# Altium PCB Booster_Main_Board.PcbDoc (part 12 of 13)
Units mm, origin at the board's own origin, x right, y up, seen from the top; angles counter-clockwise.
Board outline 400.01 x 117.51 mm, 4 copper layers (Component Side, Signal Layer 1, Power Plane, Solder Side), stack 1.604 mm thick; 1091 components, 573 nets, 3133 pads, 1954 vias.
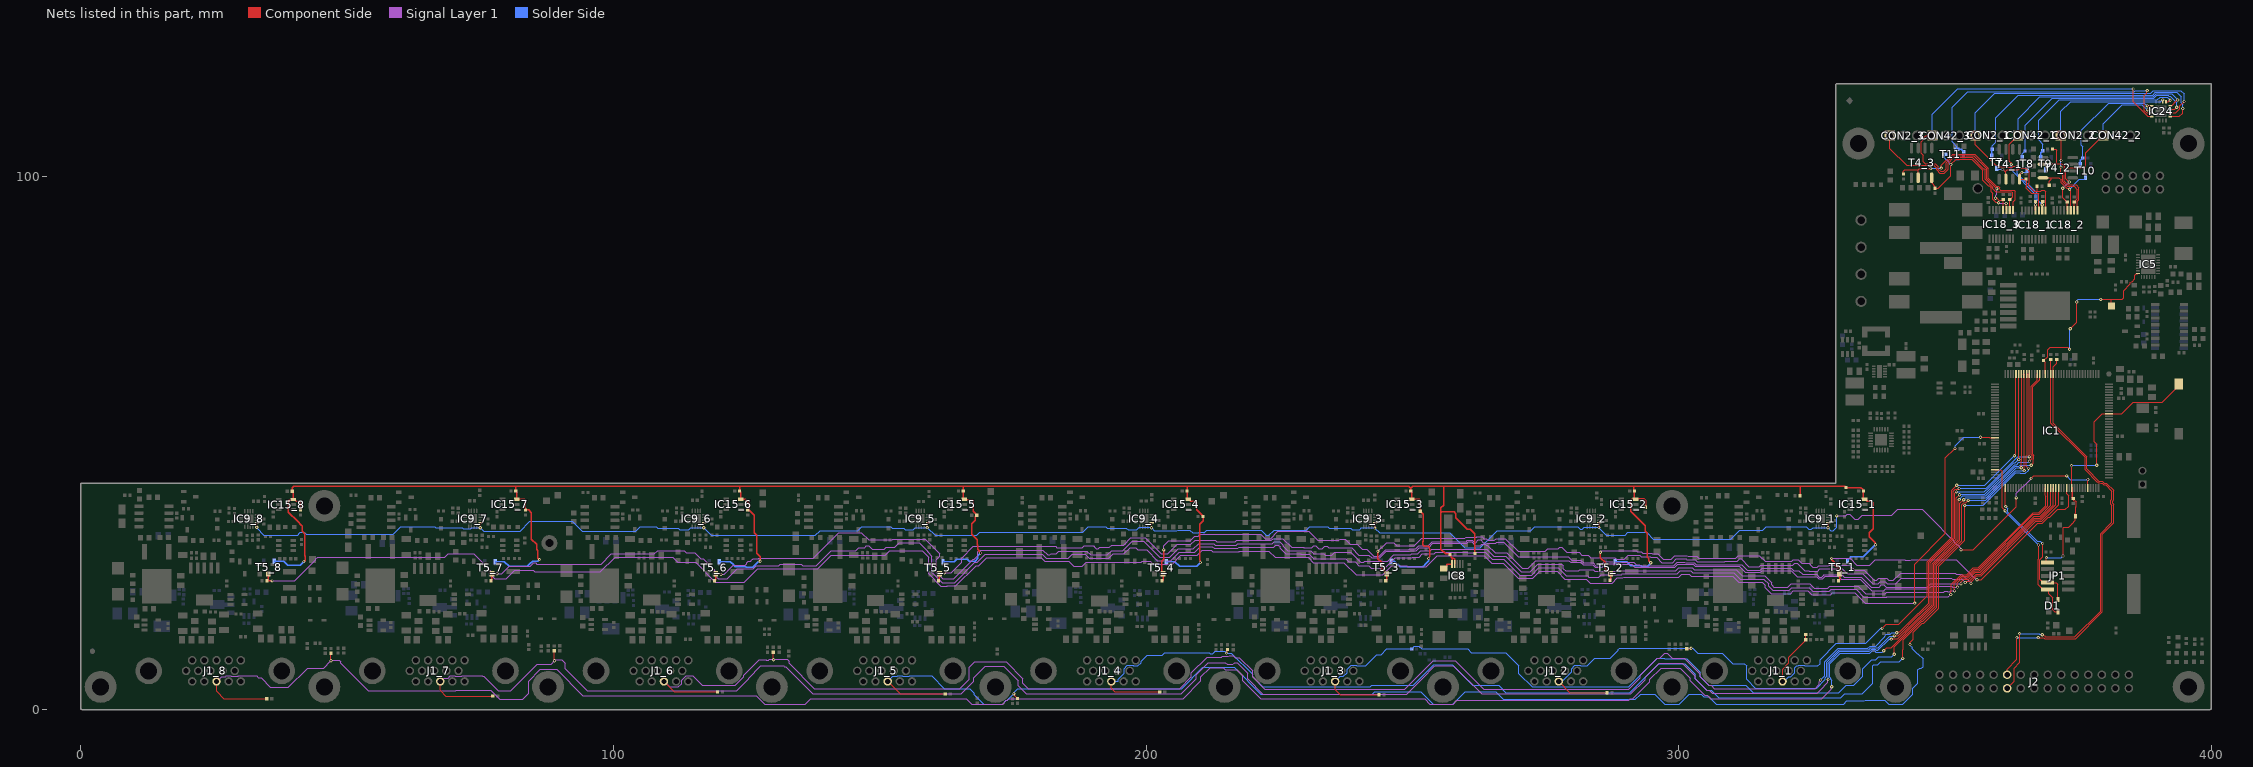
[diagram p14: the nets of this part, all layers, seen from the top]

## Via types
v1: diameter 0.6, hole 0.3, Component Side to Solder Side, tented both sides, 1808 vias
v2: diameter 0.6, hole 0.3, Component Side to Solder Side, 77 vias
v3: diameter 0.5, hole 0.3, Component Side to Solder Side, 40 vias
v4: diameter 1.27, hole 0.711, Component Side to Solder Side, tented both sides, 24 vias
v5: diameter 1.2, hole 0.8, Component Side to Solder Side, tented both sides, 5 vias

## Nets (pads, with @x,y where several pads share a name; then routed paths per layer and width w, separated by ;. In a path a pad name is that pad's centre, name@x,y a point inside that pad or via, vN(x,y) a via of type N, cw(c..) or ccw(c..) an arc to the next point about the centre after c; other vN are vias at no path point) (continued)
PA_CH_RESETN: IC1.140 IC9_1.1 IC9_2.1 IC9_3.1 IC9_4.1 IC9_5.1 IC9_6.1 IC9_7.1 IC9_8.1 | length 384
  Component Side w0.152: v1(33.02,34.214) 33.045,34.214 33.047,34.216 IC9_8.1@33.047,35.035 ; v1(75.006,34.138) 75.057,34.188 75.057,35.054 IC9_7.1@75.047,35.064 ; v1(116.942,34.112) 116.942,34.958 IC9_6.1@117.047,35.064 ; v1(158.928,34.163) 158.928,34.945 IC9_5.1@159.047,35.064 ; v1(201.016,34.112) 201.016,35.032 IC9_4.1@201.047,35.064 ; v1(242.947,34.065) 242.998,34.065 243.027,34.036 243.027,35.044 IC9_3.1@243.047,35.064 ; v1(285.013,34.188) 285.047,34.222 IC9_2.1@285.047,35.064 ; v1(328.021,34.146) 328.021,35.027 328.016,35.032 IC9_1.1@328.047,35.064 ; v1(352.978,30.004) 355.262,30.004 363.322,38.064 363.322,39.7 v1(363.347,39.726) ; v1(366.141,43.358) 366.649,43.866 v1(372.821,43.866) ; IC1.140@376.803,41.599 v1(376.803,43.18)
  Signal Layer 1 w0.152: v1(329.667,36.347) 331.307,36.347 331.662,36.702 332.1,36.702 333.076,35.725 333.697,35.725 334.472,36.5 340.004,36.5 341.071,37.567 345.666,37.567 352.978,30.254 v1(352.978,30.004) ; v1(363.347,39.726) 363.347,40.564 v1(366.141,43.358)
  Solder Side w0.152: v1(33.02,34.214) 33.02,34.092 34.387,32.725 40.697,32.725 40.909,32.938 40.909,32.972 41.219,33.282 41.953,33.282 42.311,32.923 58.653,32.923 60.07,34.34 66.466,34.34 66.668,34.138 71.592,34.138 71.815,33.914 72.253,33.914 72.273,33.933 73.202,33.933 73.403,34.135 v1@75.006,34.135 ; v1(75.006,34.138) v1@75.006,34.135 ; v1@284.958,34.184 282.226,34.184 281.905,33.863 281.467,33.863 280.99,34.34 272.947,34.34 272.195,33.587 265.896,33.587 262.684,30.376 259.819,30.376 257.023,33.172 243.84,33.172 v1(242.947,34.065) 242.905,34.107 240.417,34.107 240.071,33.761 238.73,33.761 238.431,34.06 234.339,34.06 234.06,34.34 230.732,34.34 230.094,33.701 224.01,33.701 223.028,32.719 222.59,32.719 221.608,33.701 211.422,33.701 210.947,33.225 210.779,33.225 210.715,33.289 209.941,33.289 209.877,33.225 208.709,33.225 208.233,33.701 205.912,33.701 205.798,33.587 201.541,33.587 v1(201.016,34.112) 200.919,34.209 198.75,34.209 198.252,33.711 196.642,33.711 196.292,34.06 192.669,34.06 192.389,34.34 189.127,34.34 188.117,33.33 168.801,33.33 168.197,32.725 160.365,32.725 v1(158.928,34.163) 156.693,34.163 156.286,33.757 154.788,33.757 154.484,34.06 152.301,34.06 152.022,34.34 146.658,34.34 145.906,33.587 138.78,33.587 137.918,32.725 118.328,32.725 v1(116.942,34.112) 114.529,34.112 114.178,33.761 112.492,33.761 112.192,34.061 108.338,34.061 108.06,34.34 105.053,34.34 104.221,33.507 94.125,33.507 92.273,35.36 84.331,35.36 82.479,33.507 75.634,33.507 v1@75.006,34.135 ; v1(285.013,34.188) 285.013,34.128 286.416,32.725 289.944,32.725 290.46,33.241 293.988,33.241 295.225,32.004 309.728,32.004 311.409,33.685 315.803,33.685 316.457,34.34 323.967,34.34 324.134,34.173 324.134,34.122 324.444,33.812 324.882,33.812 325.228,34.158 328.008,34.158 v1(328.021,34.146) 328.021,34.121 328.554,33.587 328.992,33.587 329.667,34.262 v1(329.667,36.347) ; v1(372.821,43.866) 373.507,43.18 v1(376.803,43.18)
PGOOD_N7V5: IC1.57 IC5.8 R25.2 TP1.1 | length 35.4
  Component Side w0.152: IC1.57@368.803,62.999 368.803,65.21 R25.2@368.478,65.534 368.508,65.534 369.228,66.254 369.228,67.504 369.728,68.004 371.978,68.004 372.007,68.033 372.697,68.033 372.726,68.004 373.034,68.004 373.368,67.669 v1(373.368,67.644) ; v1(373.478,71.504) 374.728,72.754 v1(374.728,76.504) ; v1(379.227,77.004) 381.228,77.004 383.228,77.004 383.528,77.304 383.528,78.654 384.793,79.918 384.793,80.212 384.927,80.346 385.093,80.346 385.619,80.872 385.619,81.549 IC5.8@385.927,81.857 ; TP1.1@381.228,75.754 381.228,77.003
  Component Side w0.254: IC5.8@385.927,81.857 IC5.8@386.208,81.857
  Solder Side w0.152: v1(373.368,67.644) 373.381,67.657 373.381,71.407 v1(373.478,71.504) ; v1(374.728,76.504) 374.728,76.754 374.978,77.004 ; 374.978,77.004 v1(379.227,77.004)
PWM1: IC18_1.1 R149_1.1 T4_1.2 T7.3 | length 19.4
  Component Side w0.152: v1(360.769,101.395) 360.89,101.395 361.186,101.099 361.423,101.099 ; T4_1.2@361.423,99.579 361.423,101.099 ; R149_1.1@367.258,98.254 367.258,97.305 367.228,97.275 ; IC18_1.1@368.876,93.704 368.882,93.71 368.882,97.173 368.572,97.483 368.134,97.483 367.927,97.275 367.228,97.275 ; 361.423,101.099 361.678,101.354 363.697,101.354 363.976,101.633 365.174,101.633 365.773,101.034 365.773,98.934 365.667,98.828 365.667,98.354 365.767,98.254 365.767,98.243 366.734,97.275 367.228,97.275
  Solder Side w0.152: T7.3@359.68,101.599 359.884,101.395 v1(360.769,101.395)
PWM1_2: IC18_2.1 R149_2.1 T4_2.2 T9.3 | length 18.6
  Component Side w0.152: 369.403,102.459 v1(369.9,102.459) 370.953,102.459 ; R149_2.1@370.148,105.229 370.753,105.229 370.953,105.029 370.953,102.459 ; IC18_2.1@374.851,93.754 374.851,95.467 375.133,95.749 375.133,97.999 374.624,98.508 373.077,98.508 372.389,99.195 372.389,101.726 372.44,101.777 372.44,101.89 371.871,102.459 370.953,102.459
  Solder Side w0.152: T9.3@368.935,101.318 368.935,101.518 369.876,102.459 v1(369.9,102.459)
PWM1_3: IC18_3.1 R149_3.1 T4_3.2 | length 32.5
  Component Side w0.152: R149_3.1@342.178,100.574 342.153,100.599 342.153,101.079 342.423,101.349 344.948,101.349 ; T4_3.2@344.948,99.829 344.948,101.349 ; v1(347.328,101.554) 345.153,101.554 344.948,101.349 ; v1(349.278,101.654) 349.278,102.138 351.394,104.254 355.521,104.254 358.143,101.633 358.143,99.771 359.631,98.283 359.947,98.283 360.257,97.973 360.257,97.656 360.396,97.517 362.965,97.517 363.178,97.304 363.178,95.754 362.776,95.351 IC18_3.1@362.776,93.804
  Solder Side w0.152: v1(347.328,101.554) 347.428,101.654 v1(349.278,101.654)
PWM2: IC18_1.3 R150_1.1 T4_1.4 T8.3 | length 11.6
  Component Side w0.152: v1(364.416,100.799) 364.416,100.771 363.963,100.319 T4_1.4@363.963,99.579 365.003,99.579 365.349,99.233 365.349,98.247 365.249,98.146 365.249,97.849 366.127,96.971 367.462,96.971 367.606,96.826 IC18_1.3@367.606,93.704
  Solder Side w0.152: v1(364.416,100.799) 364.467,100.851 365.204,100.851 365.453,101.099 T8.3@365.453,101.299
PWM2_2: IC18_2.3 R150_2.1 T4_2.4 T10.3 | length 15.2
  Component Side w0.152: T4_2.4@368.376,99.822 369.9,99.822 ; R150_2.1@369.557,98.425 369.557,99.198 369.9,99.541 369.9,99.822 ; 373.148,97.891 372.832,97.891 371.78,98.943 371.78,99.419 371.357,99.843 370.267,99.843 370.247,99.822 369.9,99.822 ; IC18_2.3@373.581,93.754 373.581,97.458
  Solder Side w0.152: v1(373.364,97.675) 375.216,99.526 376.107,99.526 376.356,99.775 T10.3@376.356,99.975
PWM2_3: IC18_3.3 R150_3.1 T4_3.4 T11.3 | length 28.3
  Component Side w0.152: T4_3.4@347.488,99.829 347.488,98.894 348.103,98.279 R150_3.1@348.103,97.874 348.711,97.874 351.084,100.247 v1(351.084,102.334) 352.09,103.34 354.992,103.34 357.078,101.254 357.078,99.404 358.135,98.347 358.273,98.347 358.656,97.964 358.656,97.23 358.934,96.951 358.934,96.093 358.934,95.787 359.525,95.196 359.986,95.196 v1(360.053,95.129) ; v1(361.478,95.004) 361.506,94.977 IC18_3.3@361.506,93.804
  Signal Layer 1 w0.152: v1(360.053,95.129) 360.178,95.004 v1(361.478,95.004)
  Solder Side w0.152: T11.3@349.925,104.242 349.925,103.528 351.084,102.368 v1(351.084,102.334)
PWM_C1: IC24.5 R134.2 T7.1 | length 50.5
  Component Side w0.152: IC24.5@392.296,111.355 393.985,111.355 394.614,111.984 394.614,112.826 v1(394.618,112.83)
  Solder Side w0.152: R134.2@358.858,105.163 358.858,105.853 359.512,106.508 359.512,111.119 363.76,115.367 388.95,115.367 389.478,115.895 393.476,115.895 394.349,115.023 394.349,113.929 394.614,113.663 394.614,112.834 v1(394.618,112.83)
  Solder Side w0.254: T7.1@358.73,103.899 358.794,103.963 358.794,105.099 R134.2@358.858,105.163
PWM_C2: IC24.7 R135.2 T8.1 | length 39.8
  Component Side w0.152: IC24.7@392.296,112.655 393.077,112.655 v1(393.478,113.056)
  Solder Side w0.152: T8.1@364.503,103.599 364.503,104.363 364.983,104.843 R135.2@364.983,104.863 365.05,104.93 365.05,109.672 370.135,114.757 389.202,114.757 389.731,115.286 391.853,115.286 391.996,115.143 392.233,115.143 393.478,113.898 v1(393.478,113.056)
PWM_C3: IC24.9 R136.2 T9.1 | length 35.1
  Component Side w0.152: IC24.9@391.511,114.09 391.924,114.09 392.214,114.38 v1(392.246,114.38)
  Solder Side w0.152: R136.2@368.329,104.882 368.329,105.603 368.353,105.627 368.353,106.144 367.553,106.944 367.553,108.58 367.606,108.633 367.606,110.593 371.465,114.452 389.838,114.452 390.367,114.981 391.727,114.981 392.246,114.462 v1(392.246,114.38)
  Solder Side w0.254: T9.1@367.985,103.618 367.985,104.524 368.16,104.699 368.166,104.699 368.329,104.862 R136.2@368.329,104.882
PWM_C4: IC24.13 R138.2 T10.1 | length 22.4
  Component Side w0.152: v1(387.937,113.328) 387.949,113.316 388.764,113.316 IC24.13@388.776,113.305
  Solder Side w0.152: R138.2@375.84,103.539 375.84,105.631 375.532,105.94 375.532,108.482 375.469,108.545 375.469,108.633 380.679,113.843 387.402,113.843 387.917,113.328 v1(387.937,113.328)
  Solder Side w0.254: T10.1@375.406,102.275 375.406,103.105 375.657,103.356 375.677,103.356 375.84,103.519 R138.2@375.84,103.539
PWM_C5: IC24.15 R139.2 T11.1 | length 53.1
  Component Side w0.152: v1(387.94,116.2) 387.855,116.115 387.855,115.738 387.409,115.293 387.409,112.461 387.864,112.005 IC24.15@388.776,112.005
  Solder Side w0.152: T11.1@352.225,105.192 352.225,105.696 351.332,106.588 351.332,113.078 354.23,115.976 385.521,115.976 385.745,116.2 v1(387.94,116.2)
  Solder Side w0.254: T11.1@352.225,105.192 353.009,105.192 353.306,104.895 353.306,104.875 353.469,104.712 R139.2@353.489,104.712
REF_P3V3: C40.2 C60_1.2 C60_2.2 C60_3.2 C60_4.2 C60_5.2 C60_6.2 C60_7.2 C60_8.2 IC8.9 IC8.10 IC15_1.3 IC15_2.3 IC15_3.3 IC15_4.3 IC15_5.3 IC15_6.3 IC15_7.3 IC15_8.3 R47.1 R55.2 R87.2 R89_1.2 R89_2.2 R89_3.2 R89_4.2 R89_5.2 R89_6.2 R89_7.2 R89_8.2 T5_1.2 T5_2.2 T5_3.2 T5_4.2 T5_5.2 T5_6.2 T5_7.2 T5_8.2 | length 523.6
  Component Side w0.254: R89_8.2@41.228,37.474 41.228,38.185 41.308,38.264 41.308,38.744 40.968,39.083 40.423,39.083 40.274,39.232 40.274,39.261 40.101,39.434 IC15_8.3@39.876,39.434 ; v1(41.884,27.77) 42.108,27.993 42.108,28.794 42.024,28.877 42.024,32.986 41.528,33.482 41.528,34.503 41.433,34.598 41.433,34.644 40.737,35.34 40.691,35.34 38.976,37.055 38.976,39.129 39.151,39.304 39.746,39.304 IC15_8.3@39.876,39.434 ; v1(86.128,28.154) 86.034,28.154 85.89,28.299 85.818,28.299 85.814,28.303 85.814,29.825 85.589,30.049 85.589,31.023 84.596,32.016 84.596,36.972 84.094,37.474 R89_7.2@83.478,37.474 83.478,39.199 83.214,39.463 IC15_7.3@81.876,39.463 81.876,40.813 C60_7.2@81.676,41.013 81.676,41.925 ; v1(127.528,27.854) 127.528,28.687 126.898,29.317 126.898,32.725 126.428,33.196 126.428,36.436 125.553,37.311 125.391,37.311 R89_6.2@125.228,37.474 125.391,37.637 125.411,37.637 125.534,37.76 125.534,38.67 124.872,39.332 124.872,39.374 124.782,39.463 IC15_6.3@123.876,39.463 123.876,40.813 C60_6.2@123.676,41.013 123.676,41.925 ; 165.651,41.925 207.603,41.925 ; v1@168.707,29.573 168.707,29.794 168.427,30.074 168.427,30.806 168.272,30.961 168.272,31.89 167.219,32.943 167.219,34.873 167.91,35.564 167.91,36.196 168.198,36.484 R89_5.2@168.198,36.504 168.035,36.667 168.035,36.722 167.528,37.229 167.528,39.105 167.258,39.375 165.964,39.375 IC15_5.3@165.876,39.463 165.849,39.463 165.676,39.636 C60_5.2@165.676,41.013 165.676,41.874 165.625,41.925 123.676,41.925 ; v1@210.121,27.667 210.121,28.041 210.107,28.055 210.107,28.594 210.044,28.658 210.044,34.767 210.698,35.422 R89_4.2@210.698,36.254 210.535,36.417 210.535,36.506 209.507,37.534 209.507,38.767 209.168,39.106 208.688,39.106 208.674,39.092 208.423,39.092 208.274,39.241 208.274,39.29 208.101,39.463 IC15_4.3@207.876,39.463 207.849,39.463 207.676,39.636 C60_4.2@207.676,41.013 207.676,41.852 207.603,41.925 ; v1(253.028,28.354) 253.028,28.448 253.175,28.595 253.175,28.662 253.221,28.708 253.221,30.227 253.118,30.33 253.118,30.468 252.954,30.632 252.221,30.632 251.948,30.904 251.948,31.494 252.068,31.613 252.068,36.69 251.696,37.061 251.641,37.061 R89_3.2@251.478,37.224 251.478,39.314 251.329,39.463 IC15_3.3@249.876,39.463 249.876,40.813 C60_3.2@249.676,41.013 249.68,41.017 249.68,41.555 ; C40.2@255.854,26.471 255.996,26.471 256.394,26.869 256.394,27.166 256.543,27.315 IC8.10@257.428,27.315 257.428,28.265 257.541,28.377 257.501,28.417 ; R47.1@257.071,29.115 256.95,29.235 256.241,29.235 255.356,30.12 255.356,36.975 ; R47.1@257.158,28.815 257.321,28.652 257.321,28.597 257.501,28.417 ; IC8.9@257.928,27.315 257.905,27.338 257.905,28.309 257.797,28.417 257.501,28.417 ; R87.2@261.742,29.265 261.742,33.005 260.853,33.894 260.307,33.894 258.164,36.036 258.164,36.745 257.808,37.101 255.481,37.101 255.356,36.975 ; R89_2.2@293.728,37.974 293.797,38.043 293.797,39.199 293.462,39.533 291.947,39.533 IC15_2.3@291.876,39.463 IC15_2.3@291.849,39.463 ; v1(294.728,27.554) 294.349,27.933 294.349,28.399 294.127,28.621 294.127,30.009 294.093,30.043 294.093,31.339 294.107,31.354 294.107,33.098 293.72,33.484 293.72,34.531 291.843,36.409 291.81,36.409 290.976,37.243 290.976,39.314 291.125,39.463 IC15_2.3@291.849,39.463 ; R55.2@322.779,40.157 322.779,41.865 322.719,41.925 ; v1(336.928,30.954) 336.861,31.02 336.861,31.342 335.773,32.43 335.773,33.204 336.479,33.91 336.479,38.783 336.22,39.042 336.162,39.042 336.112,39.092 335.423,39.092 335.274,39.241 335.274,39.29 335.101,39.463 IC15_1.3@334.876,39.463 334.849,39.463 334.676,39.636 C60_1.2@334.676,41.013 334.493,41.196 334.493,41.311 334.132,41.672 R89_1.2@331.398,41.672 331.378,41.672 331.126,41.925 322.719,41.925 ; IC15_8.3@39.876,39.434 39.876,40.784 C60_8.2@39.676,40.984 39.676,41.596 40.005,41.925 81.676,41.925 ; 81.676,41.925 123.676,41.925 ; 207.603,41.925 249.31,41.925 249.68,41.555 ; 249.68,41.555 250.049,41.925 255.854,41.925 ; 255.356,36.975 255.356,37.101 255.356,37.899 255.854,38.397 255.854,41.925 ; 255.854,41.925 291.531,41.925 ; 291.531,41.925 322.719,41.925 ; 291.531,41.925 291.531,41.158 C60_2.2@291.676,41.013 291.676,39.636 IC15_2.3@291.849,39.463
  Solder Side w0.254: T5_8.2@36.278,27.82 38.106,27.82 38.871,27.056 39.635,27.056 39.654,27.075 41.189,27.075 v1(41.884,27.77) ; T5_7.2@77.778,27.763 79.512,27.763 80.406,26.869 83.771,26.869 84.461,27.559 84.525,27.559 84.851,27.884 85.806,27.884 86.076,28.154 v1(86.128,28.154) ; T5_6.2@119.878,27.763 119.926,27.715 121.967,27.715 122.245,27.436 122.265,27.436 122.883,26.818 124.825,26.818 124.918,26.726 126.16,26.726 127.222,27.788 ; T5_5.2@161.869,27.754 163.968,27.754 164.454,28.24 166.461,28.24 166.831,27.87 167.894,27.87 168.412,28.388 168.412,28.895 v1(168.898,29.382) ; T5_4.2@203.778,27.763 205.405,27.763 206.295,26.873 209.468,26.873 v1(210.192,27.597) ; T5_3.2@246.013,27.854 246.585,27.854 247.085,27.355 247.145,27.355 247.675,26.825 251.437,26.825 251.488,26.775 251.968,26.775 252.307,27.114 252.307,27.186 253.024,27.903 253.024,28.35 v1(253.028,28.354) ; T5_2.2@288.078,27.763 290.238,27.763 290.98,27.021 292.933,27.021 293.12,26.834 294.064,26.834 294.728,27.498 v1(294.728,27.554) ; T5_1.2@331.678,27.896 331.678,28.096 331.876,28.294 332.027,28.294 332.176,28.443 332.176,28.547 332.325,28.696 334.588,28.696 336.846,30.954 v1(336.928,30.954)
Refl_overdrive0: C82_8.1 IC1.59 J1_8.3 R34_8.1 | length 429.2
  Component Side w0.152: J1_8.3@25.478,5.274 25.478,3.427 26.873,2.032 R34_8.1@34.912,2.032 ; v1(46.965,9.144) C82_8.1@46.965,10.574 ; v1(338.48,11.049) 339.069,11.637 339.847,11.637 345.35,17.14 345.433,17.14 347.853,19.56 347.853,27.283 352.476,31.905 352.476,39.319 352.654,39.319 v1(352.654,39.421) ; v1(366.166,45.847) 366.573,46.253 366.573,47.031 366.636,47.094 366.636,47.784 366.501,47.919 366.501,60.61 367.803,61.911 IC1.59@367.803,62.999
  Signal Layer 1 w0.152: J1_8.3@24.986,5.245 J1_8.3@25.232,5.491 ; J1_8.3@25.478,5.245 26.43,6.196 27.232,6.196 27.338,6.303 28.19,6.303 28.267,6.225 29.518,6.225 29.595,6.303 32.997,6.303 33.35,5.949 33.852,5.949 35.61,4.192 38.981,4.192 42.577,7.787 45.608,7.787 v1(46.965,9.144) 47.087,9.266 48.479,9.266 48.789,8.957 48.789,8.731 53.952,3.568 70.375,3.568 70.465,3.658 76.964,3.658 78.563,2.059 ; 78.562,2.057 78.689,1.93 82.982,1.93 84.074,3.023 84.074,5.334 86.284,7.544 89.332,7.544 94.259,2.616 126.8,2.616 128.391,1.025 136.032,1.025 137.038,2.032 166.244,2.032 167.25,1.025 173.049,1.025 173.74,1.716 173.892,1.716 174.208,2.032 206.948,2.032 210.282,5.366 210.282,6.122 212.035,7.874 214.488,7.874 214.879,7.483 217.029,7.483 218.161,6.351 218.161,5.38 221.559,1.981 252.298,1.981 253.254,1.025 257.642,1.025 258.343,1.727 290.576,1.727 290.728,1.88 ; 290.762,1.846 290.923,2.007 291.352,2.007 294.585,5.24 294.585,5.685 296.688,7.787 300.263,7.787 302.176,5.875 302.176,5.366 304.845,2.697 305.354,2.697 306.019,2.032 326.847,2.032 328.641,3.826 328.641,4.182 v1(328.727,4.267)
  Solder Side w0.152: v1@328.728,4.268 328.728,5.529 328.57,5.687 328.57,5.832 328.385,6.017 328.385,8.637 330.34,10.592 335.899,10.592 336.321,11.014 336.758,11.014 336.982,10.79 338.222,10.79 v1(338.48,11.049) ; v1(352.654,39.421) 353.335,40.102 357.627,40.102 363.21,45.685 363.86,45.685 364.084,45.909 366.105,45.909 v1(366.166,45.847)
Refl_overdrive1: C82_7.1 IC1.60 J1_7.3 R34_7.1 | length 391.1
  Component Side w0.152: J1_7.3@67.478,5.274 67.478,3.591 68.529,2.54 R34_7.1@77.33,2.54 ; C82_7.1@88.9,11.031 88.9,9.195 v1(88.925,9.169) ; v1(339.877,13.233) 339.933,13.289 341.068,13.289 345.224,17.445 345.307,17.445 347.548,19.686 347.548,27.409 352.125,31.986 352.125,39.756 v1(352.704,40.335) ; v1(365.836,46.634) 365.836,46.725 366.331,47.22 366.331,47.658 366.197,47.793 366.197,60.736 367.303,61.842 IC1.60@367.303,62.999
  Signal Layer 1 w0.152: J1_7.3@67.478,5.274 68.125,5.921 68.956,5.921 69.338,6.303 70.19,6.303 70.267,6.225 71.547,6.225 71.624,6.303 75.376,6.303 75.453,6.225 75.69,6.225 78.384,3.531 80.723,3.531 85.726,8.534 88.29,8.534 89.073,9.317 90.338,9.317 90.924,8.731 90.924,7.702 95.096,3.531 123.154,3.531 125.368,5.745 125.368,5.91 127.667,8.209 131.938,8.209 132.09,8.057 132.307,8.057 137.417,2.946 165.279,2.946 167.671,5.338 167.671,5.992 169.771,8.092 173.318,8.092 175.971,5.439 175.971,4.47 177.494,2.946 206.569,2.946 209.368,5.745 209.368,6.5 211.656,8.788 214.866,8.788 215.192,8.463 216.296,8.463 216.516,8.683 216.524,8.683 216.629,8.788 217.094,8.788 219.075,6.807 219.075,5.758 221.938,2.896 248.948,2.896 251.89,5.838 251.89,5.844 254.138,8.092 254.25,8.204 257.697,8.204 262.981,2.921 290.973,2.921 293.671,5.619 293.671,6.064 296.309,8.702 300.642,8.702 303.09,6.254 303.09,5.745 305.224,3.611 305.733,3.611 306.321,3.023 325.978,3.023 327.298,4.343 327.298,4.448 327.955,5.105 327.955,5.528 v1(328.041,5.613)
  Solder Side w0.152: v1(328.041,5.613) 328.041,8.724 330.214,10.897 335.772,10.897 336.194,11.319 336.885,11.319 337.108,11.095 337.383,11.095 339.522,13.233 v1(339.877,13.233) ; v1(352.704,40.335) 352.776,40.407 357.475,40.407 363.058,45.99 363.439,45.99 363.863,46.414 365.616,46.414 v1(365.836,46.634)
Refl_overdrive2: C82_6.1 IC1.63 J1_6.3 R34_6.1 | length 343.8
  Component Side w0.152: J1_6.3@109.478,5.274 111.45,3.302 R34_6.1@119.494,3.302 ; C82_6.1@130.023,10.777 130.023,9.398 v1(130.073,9.347) ; v1(340.919,14.402) 341.093,14.576 341.493,14.576 344.972,18.055 345.054,18.055 346.939,19.939 346.939,27.661 351.515,32.238 351.515,41.011 351.901,41.397 352.522,41.397 v1(352.628,41.504) ; v1(365.803,47.439) IC1.63@365.803,62.999
  Signal Layer 1 w0.152: J1_6.3@109.478,5.274 109.558,5.274 110.587,4.245 112.19,4.245 112.793,4.848 112.793,5.471 113.624,6.303 114.905,6.303 116.682,4.525 122.855,4.525 124.454,6.124 124.454,6.415 127.35,9.311 128.676,9.311 128.711,9.276 129.149,9.276 129.292,9.419 130.073,9.419 132.655,9.419 132.964,9.109 132.964,8.692 137.716,3.941 164.98,3.941 166.757,5.717 166.757,7.895 167.868,9.007 173.697,9.007 176.886,5.818 176.886,4.956 177.901,3.941 206.27,3.941 208.454,6.124 208.454,6.879 211.434,9.86 214.163,9.86 214.29,9.987 215.432,9.987 215.575,10.13 216.313,10.13 216.74,9.703 217.526,9.703 219.989,7.239 219.989,6.137 222.291,3.835 248.594,3.835 250.976,6.217 250.976,6.223 253.76,9.007 253.872,9.119 258.076,9.119 263.359,3.835 290.594,3.835 292.757,5.998 292.757,6.443 295.93,9.616 296.397,9.616 297.367,10.587 297.805,10.587 298.776,9.616 301.021,9.616 304.005,6.632 304.005,6.124 305.603,4.525 306.112,4.525 306.696,3.941 325.603,3.941 326.384,4.722 326.384,5.175 326.628,5.419 v1(326.628,5.554)
  Solder Side w0.152: v1(326.628,5.554) 327.431,6.358 327.431,8.976 329.962,11.507 335.52,11.507 335.942,11.928 336.957,11.928 338.653,13.625 338.653,13.787 338.963,14.097 339.711,14.097 340.015,14.402 v1(340.919,14.402) ; v1(352.628,41.504) 352.552,41.58 357.708,41.58 363.599,47.471 365.771,47.471 v1(365.803,47.439)
Refl_overdrive3: C82_5.1 IC1.64 J1_5.3 R34_5.1 | length 295.2
  Component Side w0.152: J1_5.3@151.478,5.274 153.831,2.921 R34_5.1@162.293,2.921 ; v1(175.184,2.946) 175.269,2.861 175.269,2.654 175.468,2.455 175.468,2.45 175.609,2.309 175.61,2.309 C82_5.1@175.844,2.076 C82_5.1@175.844,2.076 ; v1(343.408,12.192) 343.408,12.548 344.057,13.197 344.057,14.554 345.729,16.226 345.958,16.226 348.767,19.036 348.767,26.904 353.674,31.811 353.674,38.308 v1(353.695,38.329) ; IC1.64@365.303,62.999 365.4,62.902 365.4,47.784 365.274,47.658 365.274,45.647 v1(365.658,45.263)
  Solder Side w0.152: J1_5.3@151.478,5.274 152.43,6.225 153.261,6.225 153.338,6.303 154.19,6.303 154.267,6.225 155.547,6.225 155.624,6.303 159.737,6.303 162.099,3.941 166.874,3.941 167.746,3.068 167.746,2.804 169.525,1.025 173.049,1.025 173.74,1.716 173.954,1.716 v1(175.184,2.946) 175.184,3.179 175.946,3.941 206.701,3.941 210.66,7.899 216.503,7.899 221.532,2.87 242.493,2.87 242.929,3.306 251.585,3.306 253.901,0.991 257.556,0.991 259.871,3.306 265.682,3.306 267.032,1.956 291.864,1.956 292.825,2.917 295.5,2.917 297.391,1.025 300.066,1.025 301.957,2.917 304.194,2.917 304.719,2.392 305.614,2.392 307.015,0.991 330.94,0.991 331.576,1.626 334.844,1.626 334.996,1.778 338.638,1.778 339.391,1.025 342.066,1.025 343.957,2.917 343.957,3.978 344.876,4.897 344.876,7.432 345.196,7.752 345.557,7.752 345.867,8.061 345.867,9.541 344.897,10.511 344.759,10.511 343.86,11.409 343.86,11.649 343.408,12.101 v1(343.408,12.192) ; v1(353.695,38.329) 357.147,38.329 363.294,44.475 364.007,44.475 364.155,44.328 365.09,44.328 365.658,44.896 v1(365.658,45.263)
Refl_overdrive4: C82_4.1 IC1.65 J1_4.3 R34_4.1 | length 246.4
  Component Side w0.152: J1_4.3@193.478,5.274 193.478,3.956 194.132,3.302 R34_4.1@202.552,3.302 ; v1@215.265,10.744 C82_4.1@215.265,11.259 ; v1(342.062,9.601) 342.062,9.652 342.036,9.677 342.036,11.187 342.131,11.282 342.131,13.059 345.603,16.531 345.831,16.531 348.463,19.162 348.463,27.03 353.085,31.653 353.085,38.467 353.476,38.857 353.919,38.857 v1(354.33,39.268) ; IC1.65@364.803,62.999 364.831,62.97 364.831,45.161
  Solder Side w0.152: J1_4.3@193.478,5.274 194.717,5.274 194.736,5.292 194.736,5.7 195.881,6.845 195.881,7.68 196.483,8.283 197.547,8.283 197.624,8.205 198.476,8.205 199.079,8.808 199.079,9.084 200.18,10.185 203.035,10.185 203.543,10.693 211.825,10.693 212.049,10.47 212.487,10.47 212.934,10.917 214.787,10.917 v1(215.113,10.592) 216.001,10.592 220.003,6.59 220.003,6.124 221.881,4.245 242.099,4.245 242.379,4.525 250.141,4.525 254.012,8.397 257.444,8.397 261.316,4.525 266.187,4.525 267.537,3.175 290.798,3.175 296.238,8.615 301.114,8.615 303.09,6.64 303.09,5.745 305.224,3.611 306.119,3.611 307.52,2.21 330.435,2.21 331.197,2.972 334.466,2.972 335.567,4.073 335.567,4.084 336.454,4.971 336.454,8.245 336.642,8.433 337.39,8.433 337.918,8.961 341.371,8.961 342.011,9.601 v1(342.062,9.601) ; v1(354.33,39.268) 357.656,39.268 363.239,44.852 364.866,44.852 v1(364.871,44.856)
Refl_overdrive5: C82_3.1 IC1.66 J1_3.3 R34_3.1 | length 197.1
  Component Side w0.152: J1_3.3@235.478,5.274 235.478,3.739 236.423,2.794 R34_3.1@243.7,2.794 ; v1(340.462,10.389) 340.462,11.82 345.477,16.835 345.588,16.835 348.158,19.406 348.158,27.156 352.781,31.779 352.781,38.684 v1(353.492,39.395) ; v1(364.303,45.38) 364.303,46.668 364.358,46.723 364.358,62.943 IC1.66@364.303,62.999
  Solder Side w0.152: J1_3.3@235.478,5.274 236.43,6.225 237.049,6.225 237.766,6.942 237.766,7.566 238.483,8.283 239.441,8.283 239.518,8.205 241.224,8.205 243.31,10.292 244.129,10.292 245.212,11.374 C82_3.1@249.878,11.374 250.112,11.608 250.15,11.608 250.239,11.697 250.239,11.779 250.373,11.913 251.182,11.913 251.721,11.374 260.377,11.374 261.063,10.688 267.492,10.688 270.002,8.178 270.002,6.724 272.48,4.245 290.573,4.245 295.944,9.616 297.281,9.616 297.367,9.53 301.493,9.53 304.005,7.018 304.005,6.124 305.603,4.525 312.563,4.525 313.964,3.124 330.056,3.124 331.458,4.525 332.853,4.525 334.558,6.23 334.558,7.642 336.263,9.347 337.011,9.347 337.54,9.876 339.949,9.876 v1(340.462,10.389) ; v1(353.492,39.395) 353.893,39.797 357.753,39.797 363.337,45.38 v1(364.303,45.38)
Refl_overdrive6: C82_2.1 IC1.67 J1_2.3 R34_2.1 | length 149.8
  Component Side w0.152: J1_2.3@277.478,5.274 279.577,3.175 R34_2.1@286.499,3.175 ; C82_2.1@301.523,11.412 302.221,11.412 v1(302.311,11.501) ; v1(340.436,13.818) 341.166,13.818 345.098,17.75 345.18,17.75 347.243,19.813 347.243,27.535 351.82,32.112 351.82,40.569 v1(352.12,40.869) ; IC1.67@363.803,62.999 363.803,46.915 v1(363.83,46.942)
  Solder Side w0.152: J1_2.3@277.478,5.274 278.098,5.274 279.881,7.057 279.881,7.68 280.483,8.283 281.547,8.283 281.624,8.205 282.859,8.205 282.857,8.208 284.233,9.584 287.101,9.584 288.673,11.155 288.673,11.295 288.88,11.501 v1(302.311,11.501) 302.625,11.501 303.535,10.592 308.116,10.592 310.142,8.566 312.337,8.566 312.728,8.175 312.728,5.653 314.343,4.039 325.86,4.039 327.512,5.691 327.512,6.008 327.736,6.232 327.736,8.85 330.088,11.202 335.646,11.202 336.068,11.624 337.429,11.624 339.598,13.792 340.411,13.792 v1(340.436,13.818) ; v1(352.12,40.869) 357.353,40.869 357.708,41.224 357.835,41.224 362.906,46.295 363.182,46.295 v1(363.83,46.942)
Refl_overdrive7: C82_1.1 IC1.68 J1_1.3 R34_1.1 | length 97.1
  Component Side w0.152: J1_1.3@319.478,5.274 319.478,7.593 320.685,8.8 320.685,9.84 323.837,12.992 R34_1.1@323.837,14.097 ; v1(338.176,15.24) 338.923,15.987 341.259,15.987 346.634,21.361 346.634,27.788 351.211,32.364 351.211,41.153 v1(352.171,42.113) ; v1(363.017,47.65) 363.017,47.701 363.303,47.987 IC1.68@363.303,62.999
  Solder Side w0.152: J1_1.3@319.478,5.274 319.762,5.274 320.642,6.154 320.978,6.154 321.777,6.953 321.777,7.878 322.104,8.205 322.406,8.205 322.483,8.283 323.547,8.283 323.624,8.205 326.112,8.205 326.517,8.611 326.517,9.355 329.583,12.421 335.141,12.421 337.96,15.24 v1(338.176,15.24) ; v1(352.171,42.113) 357.429,42.113 362.966,47.65 v1(363.017,47.65)
RST: D5.2 IC1.25 IC1.134 JP1.10 PB1.1 R6.2 | length 54.9
  Component Side w0.152: v1(369.011,28.524) 369.011,27.844 JP1.10@369.22,27.635 ; v1(372.135,28.829) 372.207,28.9 372.207,34.158 372.274,34.225 373.2,34.225 373.839,34.865 ; v1(373.736,45.796) 373.803,45.729 IC1.134@373.803,41.599 ; 373.839,34.943 373.839,34.865 ; R6.2@374.04,39.586 374.193,39.434 374.193,39.165 374.445,39.165 374.579,39.031 374.579,38.05 374.569,38.04 374.569,36.969 374.478,36.878 D5.2@374.478,36.304 374.478,35.504 373.839,34.865 ; v1(378.46,45.872) 378.46,49.784 377.977,50.267 377.977,54.051 379.475,55.549 IC1.25@380.753,55.549 380.781,55.52 383.155,55.52 385.296,57.662 390.808,57.662 PB1.1@393.7,60.554
  Component Side w0.254: IC1.134@373.803,41.599 373.832,41.569 373.832,39.794 R6.2@374.04,39.586
  Solder Side w0.152: v1(369.011,28.524) 371.831,28.524 v1(372.135,28.829) ; v1(373.736,45.796) 373.812,45.872 v1(378.46,45.872)
SIG_ON_CH0: IC1.93 R50_8.1 R84_8.2 | length 382.7
  Component Side w0.152: v1(344.297,19.99) 344.308,20.001 344.308,27.316 350.063,33.071 350.063,47.245 351.776,48.958 v1@352.108,48.958 ; v1(356.641,51.12) 358.285,51.12 358.356,51.049 IC1.93@359.353,51.049 IC1.93@359.281,51.12
  Component Side w0.254: R84_8.2@35.192,25.451 35.192,24.358 R50_8.1@34.989,24.155 v1(35.916,24.155)
  Signal Layer 1 w0.152: v1(35.916,24.155) 40.132,24.155 44.1,28.123 44.1,28.273 44.452,28.626 68.354,28.626 68.944,29.216 73.759,29.216 77.192,25.784 77.192,25.124 77.728,24.587 79.858,24.587 81.453,26.183 84.856,26.183 84.872,26.167 84.929,26.167 85.259,25.837 90.139,25.837 90.153,25.823 97.528,25.823 100.303,28.599 111.101,28.599 112.075,27.625 114.747,27.625 114.757,27.635 115.418,27.635 119.151,23.901 124.557,23.901 127.067,26.411 138.307,26.411 140.878,28.981 151.056,28.981 151.843,29.769 157.98,29.769 159.177,28.572 159.177,25.499 161.486,23.19 162.662,23.19 162.687,23.216 164.302,23.216 168.092,27.006 168.567,27.006 170.085,28.524 180.286,28.524 181.004,27.806 185.449,27.806 186.399,26.856 188.006,26.856 188.785,27.635 199.111,27.635 199.314,27.838 200.773,27.838 201.302,27.309 204.877,27.309 206.499,28.931 209.598,28.931 209.6,28.932 209.6,28.973 210.568,29.942 211.047,29.942 211.072,29.917 211.325,29.917 211.35,29.942 212.207,29.942 212.502,29.647 217.455,29.647 217.526,29.718 223.056,29.718 224.2,28.574 228.323,28.574 228.348,28.599 228.786,28.599 228.812,28.574 230.397,28.574 231.387,27.584 237.134,27.584 239.42,25.298 244.456,25.298 246.156,26.999 248.965,26.999 249.138,26.825 252.587,26.825 254.649,28.888 260.048,28.888 260.084,28.852 261.784,28.852 261.821,28.888 263.458,28.888 264.915,27.431 267.085,27.431 269.877,24.638 272.615,24.638 273.911,25.933 277.151,25.933 278.602,24.483 282.647,24.483 283.404,23.725 287.464,23.725 288.462,24.723 289.503,24.723 289.663,24.883 295.455,24.883 295.489,24.849 299.967,24.849 300.529,25.41 301.997,25.41 302.363,25.044 310.111,25.044 311.304,23.851 315.716,23.851 316.239,23.328 316.239,22.884 317.347,21.776 321.002,21.776 321.509,22.283 324.231,22.283 324.924,21.59 328.496,21.59 328.852,21.946 333.019,21.946 334.975,19.99 v1(344.297,19.99)
  Solder Side w0.152: v1(351.866,49.022) 351.866,49.49 353.496,51.12 v1(356.641,51.12)
SIG_ON_CH1: IC1.124 R50_7.1 R84_7.2 | length 334.3
  Component Side w0.152: v1(351.053,21.59) 351.053,22.098 351.13,22.174 351.13,22.366 351.201,22.438 351.201,23.541 353.009,25.349 354.025,25.349 355.329,26.653 356.184,26.653 366.514,36.982 367.613,36.982 368.935,38.305 368.935,40.081 368.803,40.214 IC1.124@368.803,41.599
  Component Side w0.254: R50_7.1@76.989,24.184 77.192,24.387 R84_7.2@77.192,25.48 77.195,25.476 v1(78.13,25.476)
  Signal Layer 1 w0.152: v1(78.13,25.476) 79.07,25.476 80.463,26.869 84.338,26.869 84.998,27.529 85.436,27.529 85.644,27.321 97.71,27.321 99.598,29.209 107.68,29.209 108.316,29.845 113.289,29.845 113.709,29.425 115.284,29.425 116.409,28.3 116.847,28.3 116.88,28.333 119.05,26.163 119.05,25.121 119.629,24.541 121.335,24.541 123.261,26.467 126.261,26.467 126.814,27.021 131.018,27.021 131.284,27.287 135.235,27.287 135.502,27.021 138.055,27.021 140.86,29.825 145.495,29.825 146.073,30.404 147.144,30.404 147.147,30.407 147.147,30.42 147.457,30.729 147.923,30.729 148.574,30.078 150.847,30.078 151.228,30.459 152.834,30.459 153.691,31.317 157.436,31.317 159.007,29.745 159.007,29.604 159.787,28.824 159.787,25.752 161.713,23.825 164.049,23.825 167.84,27.616 168.315,27.616 169.833,29.134 180.538,29.134 181.256,28.416 185.386,28.416 186.104,29.134 188.612,29.134 189.34,28.406 192.998,28.406 193.836,29.244 195.842,29.244 196.981,30.383 198.047,30.383 198.462,29.967 200.084,29.967 202.133,27.918 204.625,27.918 206.247,29.54 209.142,29.54 210.153,30.551 212.459,30.551 212.754,30.256 217.202,30.256 217.439,30.493 223.946,30.493 224.336,30.883 224.847,30.883 225.156,30.573 225.156,30.267 226.214,29.209 229.039,29.209 229.064,29.183 230.65,29.183 231.512,28.321 237.465,28.321 238.05,27.737 239.218,27.737 239.955,27 241.767,27 242.245,26.522 244.818,26.522 246.752,28.456 249.924,28.456 250.098,28.631 251.257,28.631 251.828,29.201 254.101,29.201 254.397,29.498 260.3,29.498 260.336,29.461 261.532,29.461 261.568,29.498 263.71,29.498 265.014,28.194 267.183,28.194 270.13,25.248 272.363,25.248 273.734,26.619 277.327,26.619 278.854,25.092 282.899,25.092 283.12,24.871 284.966,24.871 285.427,25.332 289.251,25.332 289.411,25.492 295.708,25.492 295.742,25.458 299.715,25.458 300.287,26.03 300.625,26.03 300.635,26.02 302.249,26.02 302.615,25.653 310.363,25.653 311.556,24.46 315.969,24.46 316.849,23.58 316.849,23.136 317.599,22.386 320.75,22.386 321.256,22.892 324.484,22.892 325.176,22.2 328.244,22.2 328.599,22.555 333.299,22.555 334.742,21.112 339.001,21.112 339.033,21.144 349.834,21.144 349.845,21.133 350.596,21.133 v1(351.053,21.59)
SIG_ON_CH2: IC1.125 R50_6.1 R84_6.2 | length 290.2
  Component Side w0.152: v1(351.765,22.276) 351.765,23.674 353.135,25.044 354.151,25.044 355.455,26.348 356.31,26.348 366.589,36.627 367.688,36.627 369.303,38.241 IC1.125@369.303,41.599
  Component Side w0.254: R50_6.1@118.989,24.184 119.192,24.387 R84_6.2@119.192,25.48 119.297,25.375 v1(120.193,25.375)
  Signal Layer 1 w0.152: v1(120.193,25.375) 120.828,25.375 122.53,27.076 124.714,27.076 125.039,27.402 125.039,27.524 125.349,27.834 125.787,27.834 125.808,27.813 125.9,27.905 125.9,28.032 126.209,28.342 127.268,28.342 127.309,28.383 137.5,28.383 139.113,29.996 139.113,30.005 139.602,30.493 139.611,30.493 139.807,30.69 139.807,30.699 142.305,33.197 146.564,33.197 147.882,31.879 150.904,31.879 150.926,31.856 152.305,31.856 152.451,32.003 158.534,32.003 161.266,29.271 161.266,28.753 160.614,28.102 160.614,25.786 161.864,24.536 163.898,24.536 167.587,28.225 167.747,28.225 168.37,28.848 168.37,29.601 168.679,29.91 180.624,29.91 181.509,29.025 181.947,29.025 182.187,29.266 183.149,29.266 183.627,29.743 188.864,29.743 189.592,29.015 192.744,29.015 193.582,29.853 195.587,29.853 197.355,31.622 199.562,31.622 202.591,28.592 204.437,28.592 205.994,30.15 208.89,30.15 209.901,31.161 212.712,31.161 213.007,30.866 216.95,30.866 217.187,31.103 223.694,31.103 224.083,31.492 225.099,31.492 225.766,30.825 225.766,30.622 226.569,29.818 229.291,29.818 229.317,29.793 230.902,29.793 231.477,29.218 233.382,29.218 233.644,28.956 234.874,28.956 235.458,29.54 238.404,29.54 239.999,27.945 239.999,27.935 240.309,27.625 240.833,27.625 241.092,27.884 245.317,27.884 246.499,29.066 249.671,29.066 249.845,29.24 251.004,29.24 251.575,29.811 253.3,29.811 253.597,30.107 260.553,30.107 260.589,30.071 261.279,30.071 261.316,30.107 263.963,30.107 265.266,28.804 267.487,28.804 270.434,25.857 272.11,25.857 273.558,27.305 278.003,27.305 278.358,26.95 278.358,26.451 278.743,26.065 281.243,26.065 281.412,26.233 283.912,26.233 284.203,25.942 288.998,25.942 289.158,26.102 295.96,26.102 295.994,26.068 299.462,26.068 300.034,26.64 300.877,26.64 300.888,26.629 302.502,26.629 302.868,26.263 310.744,26.263 311.887,25.121 316.171,25.121 317.458,23.833 317.458,23.389 317.852,22.995 320.497,22.995 321.104,23.602 324.636,23.602 325.429,22.809 327.991,22.809 328.347,23.165 333.705,23.165 335.148,21.722 338.749,21.722 339.074,22.047 349.782,22.047 349.939,22.204 350.377,22.204 350.453,22.128 350.891,22.128 351.039,22.276 v1(351.765,22.276)
SIG_ON_CH3: IC1.126 R50_5.1 R84_5.2 | length 237.6
  Component Side w0.152: v1(352.323,22.987) 352.323,23.801 353.262,24.74 354.278,24.74 355.581,26.043 356.437,26.043 366.716,36.322 367.817,36.322 369.803,38.307 IC1.126@369.803,41.599
  Component Side w0.254: R50_5.1@160.989,24.184 161.192,24.387 R84_5.2@161.192,25.48 161.366,25.654 v1(162.128,25.654)
  Signal Layer 1 w0.152: v1(162.128,25.654) 163.435,25.654 165.394,27.614 165.394,28.437 167.585,30.628 183.023,30.628 183.264,30.387 188.056,30.387 188.419,30.749 190.166,30.749 190.302,30.614 190.302,30.515 190.611,30.205 191.049,30.205 191.307,30.463 191.976,30.463 193.099,30.463 193.523,30.886 195.758,30.886 197.103,32.231 199.814,32.231 202.836,29.21 204.038,29.21 205.816,30.988 208.407,30.988 209.22,31.801 212.934,31.801 213.259,31.475 216.697,31.475 217.023,31.801 223.53,31.801 223.831,32.102 225.632,32.102 227.306,30.428 229.606,30.428 229.626,30.409 230.408,30.409 230.414,30.403 231.128,30.403 231.454,30.729 231.892,30.729 232.416,30.205 233.032,30.205 233.509,30.683 233.996,30.683 234.302,30.377 238.572,30.377 239.944,29.006 241.835,29.006 242.346,28.494 243.895,28.494 245.077,29.676 245.673,29.676 249.419,29.676 249.593,29.85 250.752,29.85 251.323,30.421 253.048,30.421 253.828,31.201 260.191,31.201 260.459,31.469 261.142,31.469 261.836,30.776 262.807,30.776 263.045,31.013 263.682,31.013 263.819,30.876 264.056,30.876 265.519,29.413 267.741,29.413 270.637,26.518 271.704,26.518 273.147,27.961 279.39,27.961 279.74,27.61 281.584,27.61 282.042,27.153 283.854,27.153 284.337,26.67 285.623,26.67 286.36,27.407 287.828,27.407 287.931,27.304 291.187,27.304 291.779,26.711 296.421,26.711 296.455,26.677 299.21,26.677 299.786,27.254 301.125,27.254 301.14,27.239 302.754,27.239 303.12,26.873 311.328,26.873 312.471,25.73 315.342,25.73 315.697,26.086 321.073,26.086 322.271,24.887 325.916,24.887 326.282,24.521 327.009,24.521 327.499,25.011 329.929,25.011 330.479,24.46 334.061,24.46 336.19,22.331 338.496,22.331 338.822,22.657 346.837,22.657 347.366,23.185 351.282,23.185 351.48,22.987 v1(352.323,22.987)
SIG_ON_CH4: IC1.127 R50_4.1 R84_4.2 | length 195.6
  Component Side w0.152: v1(352.984,23.597) 352.984,23.876 353.543,24.435 354.404,24.435 355.707,25.738 356.563,25.738 366.74,35.916 367.842,35.916 370.303,38.376 IC1.127@370.303,41.599
  Component Side w0.254: R50_4.1@202.989,24.184 203.192,24.387 R84_4.2@203.192,25.48 203.246,25.425 203.378,25.557 202.94,25.995 202.94,27.797 203.327,28.184 v1(203.327,29.972)
  Signal Layer 1 w0.152: v1(203.327,29.972) 203.327,30.744 204.257,31.674 208.305,31.674 209.164,32.533 209.759,32.533 210.109,32.883 221.564,32.883 222.337,32.109 223.407,32.109 224.748,33.451 230.507,33.451 232.208,31.75 234.861,31.75 234.865,31.746 236.194,31.746 236.451,32.003 237.398,32.003 238.362,31.039 239.598,31.039 240.554,30.083 241.443,30.083 242.727,28.799 243.769,28.799 244.951,29.98 245.799,29.98 249.292,29.98 249.467,30.155 250.626,30.155 251.196,30.725 252.921,30.725 253.702,31.506 260.065,31.506 260.333,31.774 261.268,31.774 261.724,31.318 261.855,31.318 262.37,31.833 262.807,31.833 263.322,31.318 263.808,31.318 263.945,31.181 265.645,31.181 265.833,31.369 267.157,31.369 269.85,28.677 279.273,28.677 279.908,28.042 281.61,28.042 282.118,27.534 283.905,27.534 284.413,27.026 285.267,27.026 286.004,27.762 287.903,27.762 288.057,27.609 291.568,27.609 292.003,27.174 292.567,27.174 292.724,27.016 296.548,27.016 296.582,26.982 299.083,26.982 299.761,27.659 301.151,27.659 301.267,27.544 302.88,27.544 303.247,27.177 308.904,27.177 308.948,27.222 311.818,27.222 312.898,26.141 315.322,26.141 315.678,26.497 321.092,26.497 321.569,26.021 322.569,26.021 323.232,25.358 325.876,25.358 326.409,24.825 326.847,24.825 327.256,25.235 327.256,25.315 330.615,25.315 331.064,24.867 334.239,24.867 336.144,22.962 337.631,22.962 338.058,23.389 338.496,23.389 338.923,22.962 346.684,22.962 347.319,23.597 v1(352.984,23.597)
SIG_ON_CH5: IC1.128 R50_3.1 R84_3.2 | length 152.6
  Component Side w0.152: v1(353.771,23.851) 354.051,24.13 354.53,24.13 355.834,25.433 356.689,25.433 366.867,35.611 367.968,35.611 370.803,38.445 IC1.128@370.803,41.599
  Component Side w0.254: v1(243.51,29.718) 243.51,28.325 244.206,27.629 244.206,26.466 R84_3.2@245.192,25.48 245.192,24.387 R50_3.1@244.989,24.184
  Signal Layer 1 w0.152: v1(243.51,29.718) 245.134,31.342 246.457,31.342 247.036,30.764 250.373,30.764 251.725,32.116 259.813,32.116 260.08,32.384 262.058,32.384 262.117,32.443 263.06,32.443 263.397,32.106 263.882,32.106 264.197,31.791 265.393,31.791 265.708,32.106 267.462,32.106 269.875,29.692 274.914,29.692 275.397,30.175 277.357,30.175 277.632,30.45 278.07,30.45 278.532,29.988 278.532,29.978 278.995,29.515 281.305,29.515 281.814,29.006 282.978,29.006 283.463,28.521 288.007,28.521 288.309,28.218 289.761,28.218 290.53,28.987 292.673,28.987 292.968,28.692 294.672,28.692 294.767,28.597 295.829,28.597 296.834,27.592 298.831,27.592 299.508,28.269 301.403,28.269 301.519,28.153 303.133,28.153 303.499,27.787 308.651,27.787 308.695,27.831 310.996,27.831 311.434,28.269 311.685,28.269 313.157,26.797 315.115,26.797 315.425,27.107 321.38,27.107 321.777,27.503 322.215,27.503 323.693,26.025 324.394,26.025 324.452,25.967 326.062,25.967 326.49,26.395 330.676,26.395 331.595,25.476 334.544,25.476 336.398,23.622 337.406,23.622 337.782,23.998 338.749,23.998 339.125,23.622 340.69,23.622 341.752,24.684 351.196,24.684 351.39,24.49 353.131,24.49 v1(353.771,23.851)
SIG_ON_CH6: IC1.129 R50_2.1 R84_2.2 | length 107.5
  Component Side w0.152: v1(354.863,23.673) 354.863,24.032 355.96,25.129 356.816,25.129 366.994,35.306 368.138,35.306 369.196,36.364 369.231,36.364 371.303,38.436 IC1.129@371.303,41.599
  Component Side w0.254: v1(285.293,29.515) 285.293,28.542 286.206,27.629 286.206,26.466 R84_2.2@287.192,25.48 287.192,24.387 R50_2.1@286.989,24.184
  Signal Layer 1 w0.152: v1(285.293,29.515) 285.572,29.794 291.991,29.794 292.189,29.597 292.925,29.597 293.221,29.302 294.925,29.302 295.02,29.207 296.081,29.207 297.087,28.201 298.578,28.201 299.281,28.904 301.631,28.904 301.772,28.763 303.385,28.763 303.752,28.397 308.399,28.397 308.443,28.441 310.744,28.441 311.207,28.904 313.913,28.904 313.938,28.879 315.132,28.879 316.214,27.796 321.207,27.796 321.524,28.113 322.467,28.113 323.097,27.483 324.46,27.483 324.694,27.249 324.694,27.209 325.182,26.721 325.953,26.721 326.238,27.005 328.092,27.005 328.219,27.132 332.051,27.132 333.072,26.111 334.813,26.111 336.693,24.232 337.153,24.232 337.529,24.608 339.001,24.608 339.377,24.232 340.284,24.232 341.655,25.603 345.176,25.603 345.222,25.557 346.766,25.557 346.812,25.603 351.866,25.603 352.095,25.375 353.162,25.375 v1(354.863,23.673)
SIG_ON_CH7: IC1.132 R50_1.1 R84_1.2 | length 61.3
  Component Side w0.152: v1(355.981,24.384) 356.819,24.384 367.436,35.001 368.264,35.001 369.322,36.059 369.637,36.059 371.15,37.571 372.576,37.571 373.172,38.167 373.172,40.173 372.803,40.543 IC1.132@372.803,41.599
  Component Side w0.254: v1(328.701,28.372) 328.701,28.133 329.206,27.629 329.206,27.32 330.192,26.334 R84_1.2@330.192,25.48 330.192,24.387 R50_1.1@329.989,24.184
  Signal Layer 1 w0.152: v1(328.701,28.372) 332.156,28.372 333.4,27.127 335.839,27.127 336.845,28.134 338.049,28.134 338.06,28.123 340.858,28.123 340.873,28.138 342.382,28.138 342.506,28.015 343.493,28.015 343.617,28.138 352.136,28.138 355.89,24.384 v1(355.981,24.384)
SWCLK: D1.3 IC1.109 JP1.4 | length 27.3
  Component Side w0.152: IC1.109@361.303,41.599 361.303,38.31 361.391,38.221 v1(361.391,38.1) ; v1(368.3,31.166) 368.3,28.641 367.792,28.133 367.792,24.461 368.427,23.825 JP1.4@369.22,23.825 370.907,23.825 371.178,23.554 D1.3@371.178,20.654
  Solder Side w0.152: v1(361.391,38.1) 361.391,38.075 361.793,37.673 361.793,37.063 367.283,31.572 367.894,31.572 v1(368.3,31.166)
SWDIO: D1.2 IC1.105 JP1.2 | length 33.1
  Component Side w0.152: IC1.105@359.353,45.049 360.36,45.049 360.699,44.71 360.699,37.903 v1(361.264,37.338) ; v1(367.538,30.886) 367.559,30.866 367.559,28.331 367.487,28.259 367.487,23.419 368.351,22.555 JP1.2@369.22,22.555 369.478,22.297 369.478,21.754 370.228,21.004 370.228,18.754 370.628,18.354 D1.2@371.178,18.354
  Solder Side w0.152: v1(361.264,37.338) 361.264,37.16 v1(367.538,30.886)
SWN1: IC1.54 J2.19 R112.1 | length 79.9
  Component Side w0.152: J2.19@361.648,6.524 361.648,7.598 363.476,9.425 v1@363.476,13.504 ; v1(367.478,13.504) 368.546,13.504 368.714,13.336 374.491,13.336 379.527,18.372 379.527,32.894 381.66,35.027 381.66,38.47 381.437,38.694 381.437,39.132 381.68,39.375 381.68,40.322 381.635,40.367 381.635,41.125 380.256,42.504 379.897,42.504 379.519,42.882 378.876,42.882 376.576,45.182 376.576,47.452 370.303,53.725 IC1.54@370.303,62.999 370.303,64.334 370.942,64.973 R112.1@370.942,65.697
  Solder Side w0.152: v1(363.478,13.504) v1(367.478,13.504)
SWN2: IC1.55 J2.20 R113.1 | length 82.4
  Component Side w0.152: J2.20@361.648,3.984 362.941,5.276 362.941,7.798 364.007,8.864 v1@364.007,14.254 ; v1(368.235,14.055) 368.356,14.055 368.603,13.809 368.673,13.809 368.841,13.641 374.365,13.641 379.222,18.498 379.222,33.02 381.33,35.128 381.33,38.369 381.132,38.568 381.132,39.258 381.33,39.456 381.33,40.999 380.13,42.199 379.771,42.199 379.527,42.443 379.181,42.443 379.047,42.577 378.749,42.577 378.553,42.774 378.485,42.774 376.271,44.988 376.271,47.326 369.803,53.794 IC1.55@369.803,62.999 369.803,65.676 R113.1@369.824,65.697
  Solder Side w0.152: v1(363.978,14.254) 364.007,14.225 367.63,14.225 367.715,14.141 368.149,14.141 v1(368.235,14.055)
TACH1: CON2_1.1 IC18_1.2 IC24.6 R147_1.1 | length 73
  Component Side w0.152: CON2_1.1@355.689,107.774 355.689,106.011 359.479,102.221 359.944,102.221 360.241,101.924 361.382,101.924 361.485,101.821 362.626,101.821 362.759,101.955 363.5,101.955 v1@363.55,101.904 ; IC18_1.2@368.241,93.704 v1(368.241,94.779) 368.241,95.297 R147_1.1@368.328,95.384 ; IC24.6@392.296,112.005 393.265,112.005 394.09,112.83 394.09,113.36 v1(394.877,114.148)
  Solder Side w0.152: CON2_1.1@355.689,107.774 355.689,112.074 359.286,115.672 388.573,115.672 389.102,116.2 394.266,116.2 394.877,115.589 v1(394.877,114.148) ; v1(363.55,101.955) 363.55,100.617 367.276,96.892 367.276,95.801 367.228,95.754 367.266,95.754 v1(368.241,94.779)
TACH1_2: CON2_2.1 IC18_2.2 IC24.10 R147_2.1 | length 41.3
  Component Side w0.152: CON2_2.1@371.714,107.774 371.778,107.709 v1(371.778,103.079) ; v1(371.753,101.829) 371.753,100.704 372.085,100.373 372.085,99.069 372.95,98.203 374.254,98.203 374.828,97.629 374.828,95.876 374.658,95.705 374.605,95.705 374.253,95.354 R147_2.1@374.253,95.284 374.216,95.246 IC18_2.2@374.216,93.754 ; IC24.10@390.861,114.09 390.861,114.439 v1(390.874,114.452)
  Solder Side w0.152: CON2_2.1@371.714,107.774 371.714,112.303 373.558,114.148 390.448,114.148 390.752,114.452 v1(390.874,114.452) ; v1(371.753,101.829) 371.753,103.054 v1(371.778,103.079)
TACH1_3: CON2_3.1 IC18_3.2 R147_3.1 | length 36.9
  Component Side w0.152: CON2_3.1@339.614,107.749 339.649,107.713 339.649,105.308 342.758,102.199 347.871,102.199 348.445,101.625 348.445,101.309 349.041,100.712 349.863,100.712 350.545,101.395 350.545,102.543 351.647,103.644 355.119,103.644 357.204,101.559 357.354,101.559 357.533,101.38 357.533,99.518 358.96,98.091 358.96,97.774 359.522,97.213 362.533,97.213 362.667,97.079 362.667,96.293 R147_3.1@362.128,95.754 362.128,93.817 IC18_3.2@362.141,93.804
TACH2: CON42_1.1 IC18_1.4 IC24.8 R148_1.1 | length 54.3
  Component Side w0.152: v1(362.407,102.35) 362.407,102.616 362.053,102.97 362.053,106.139 CON42_1.1@363.689,107.774 ; IC18_1.4@366.971,93.704 v1(366.971,94.779) ; IC24.8@392.296,113.305 392.456,113.305 393.59,114.439 v1(393.684,114.439)
  Solder Side w0.152: v1(362.407,102.35) 362.407,101.329 366.971,96.766 366.971,95.928 366.923,95.88 366.923,94.826 v1(366.971,94.779) ; CON42_1.1@363.689,107.774 363.689,110.95 367.801,115.062 389.076,115.062 389.604,115.591 392.592,115.591 393.684,114.499 v1(393.684,114.439)
TACH2_2: CON42_2.1 IC18_2.4 IC24.14 R148_2.1 | length 33.1
  Component Side w0.152: v1(372.096,97.859) 372.096,96.086 372.898,95.284 R148_2.1@372.928,95.284 372.946,95.266 IC18_2.4@372.946,93.754 ; v1(373.303,99.037) 373.284,99.037 372.694,99.626 372.694,101.288 373.032,101.625 373.228,101.625 373.274,101.672 376.121,101.672 376.428,101.979 376.428,104.529 379.673,107.774 CON42_2.1@379.714,107.774 ; v1(388.035,112.582) 388.072,112.618 388.739,112.618 IC24.14@388.776,112.655
  Solder Side w0.152: v1(372.096,97.859) 372.133,97.859 373.303,99.029 v1(373.303,99.037) ; CON42_2.1@379.714,107.774 379.714,109.982 383.269,113.538 386.96,113.538 387.916,112.582 v1(388.035,112.582)
TACH2_3: CON42_3.1 IC18_3.4 IC24.16 R148_3.1 | length 83.1
  Component Side w0.152: CON42_3.1@347.614,107.749 346.348,107.749 345.872,107.273 345.872,106.942 345.553,106.623 345.553,104.398 345.903,104.048 345.903,102.829 346.228,102.504 348.119,102.504 348.75,101.873 348.75,101.435 349.167,101.017 349.736,101.017 350.241,101.521 350.241,102.669 351.521,103.949 355.395,103.949 357.838,101.507 357.838,99.644 v1(359.728,97.754) ; v1@359.595,96.138 360.075,95.658 360.832,95.658 R148_3.1@360.928,95.754 360.928,93.862 IC18_3.4@360.871,93.804 ; v1(385.302,116.505) 385.302,114.136 388.083,111.355 IC24.16@388.776,111.355
  Signal Layer 1 w0.152: v1(359.463,96.005) 359.548,96.091 359.548,96.524 359.728,96.704 v1(359.728,97.754)
  Solder Side w0.152: CON42_3.1@347.614,107.749 347.614,111.789 352.33,116.505 v1(385.302,116.505)